# KiCad board A_BUS_Ctrl.kicad_pcb (continued)
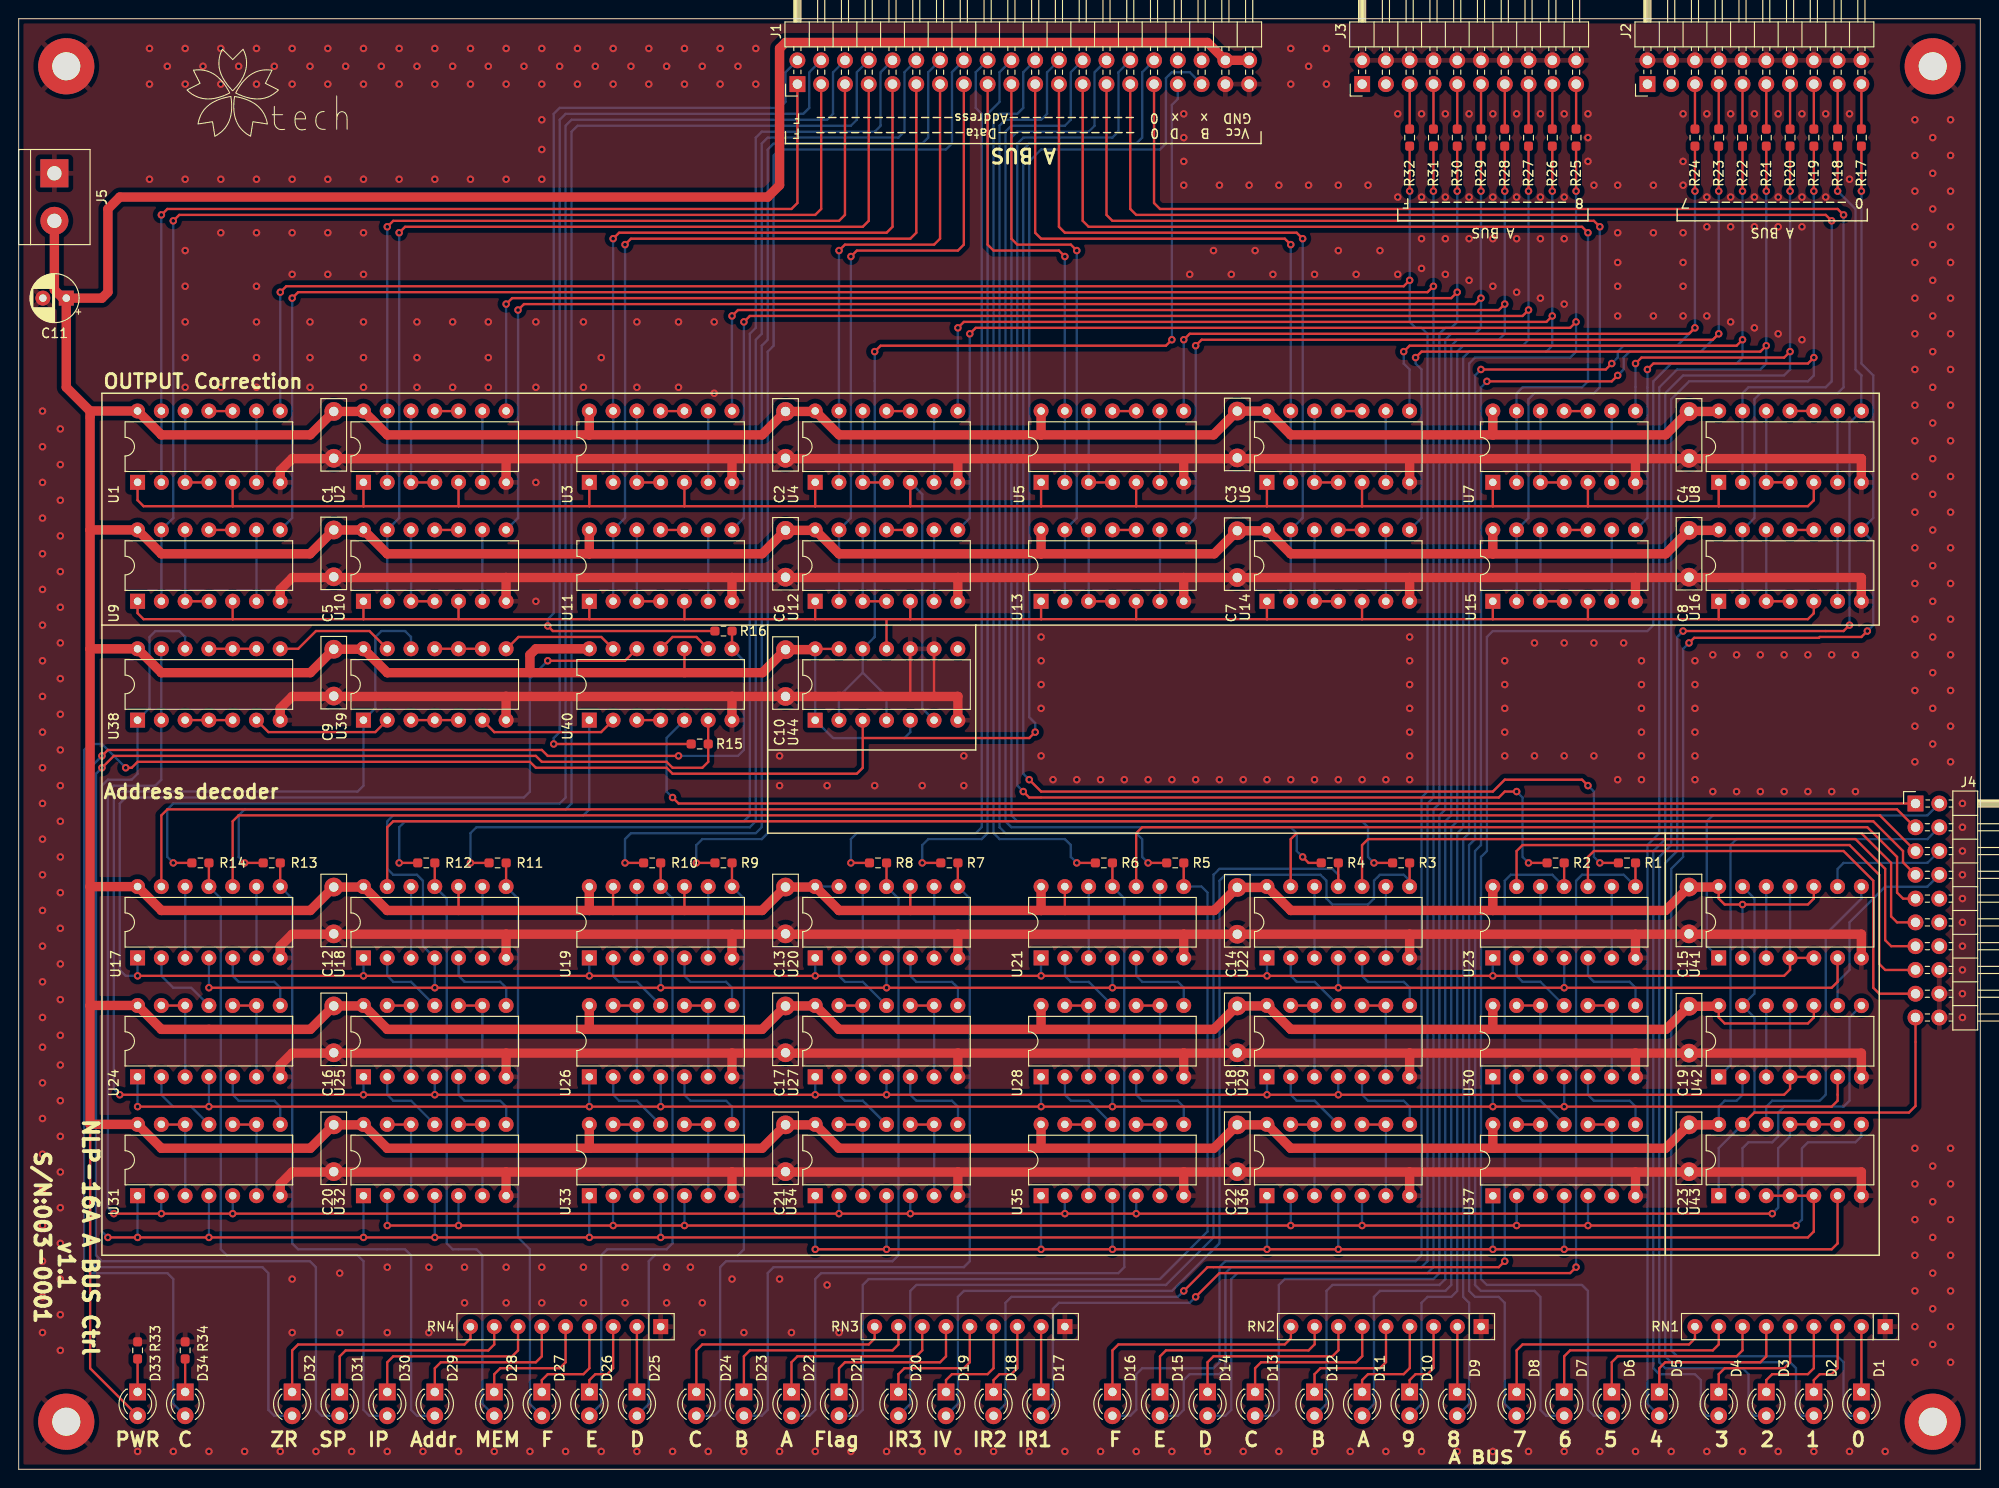
[diagram p0: board, top side]
## Routing (per net, layer and track width the routed paths; a pad name or vN(x,y) marks a point on that pad's centre or on a via; arc(x,y) is an arc through that point) (continued)
Decoded_Reg_Addr3: length 105
  Top w0.25: R4.1 140.96,64.77 U22.11
  Bottom w0.25: U22.11 140.96,63.5 140.97,63.5 140.33,64.13 128.27,64.13 127.64,63.5 127.64,24.76 122.55,19.69 95.89,19.69 95.25,19.05 95.25,6.98 95.24,6.98 D20.2
Decoded_Reg_Addr4: length 96.9
  Top w0.25: U21.8 124.45,64.77 R5.1
  Bottom w0.25: U21.8 126.36,62.24 127,61.59 127,25.4 121.92,20.32 90.8,20.32 90.17,19.69 90.17,6.35 89.54,5.72 D21.2
Decoded_Reg_Addr5: length 94
  Top w0.25: R6.1 116.83,64.77 U21.11
  Bottom w0.25: D22.2 84.45,5.72 85.09,6.35 85.09,20.32 85.72,20.95 117.48,20.95 118.11,21.59 118.11,60.97 U21.11
Decoded_Reg_Addr6: length 82.6
  Top w0.25: U20.8 100.33,64.77 R7.1
  Bottom w0.25: D23.2 79.38,5.72 80.01,6.35 80.01,20.95 80.64,21.59 100.96,21.59 101.6,22.22 101.6,60.97 U20.8
Decoded_Reg_Addr7: length 80.1
  Top w0.25: U20.11 92.7,64.77 R8.1
  Bottom w0.25: U20.11 93.98,60.97 93.98,22.86 93.35,22.22 75.56,22.22 74.93,21.59 74.93,6.35 74.3,5.72 D24.2
Decoded_Reg_Addr8: length 69.5
  Top w0.25: U19.8 76.2,64.77 76.2,64.77
  Bottom w0.25: D25.2 67.31,6.98 ; 67.31,6.98 67.31,6.98 67.31,22.22 67.95,22.85 76.83,22.85 77.47,23.5 77.47,60.97 U19.8 ; 67.31,6.98 67.31,6.98
Decoded_Reg_Addr9: length 67
  Top w0.25: U19.11 68.58,64.77 R10.1
  Bottom w0.25: D26.2 62.23,6.98 62.23,22.86 62.86,23.5 69.22,23.5 69.85,24.13 69.85,60.97 U19.11
Decoded_Reg_Addr10: length 60.6
  Top w0.25: R11.1 52.06,64.77 U18.8
  Bottom w0.25: D27.2 54.61,6.98 54.61,6.98 54.61,23.5 53.34,24.76 53.34,60.97 U18.8
Decoded_Reg_Addr11: length 63.2
  Top w0.25: R12.1 44.45,64.77 U18.11
  Bottom w0.25: D28.2 49.53,6.98 49.53,6.98 49.53,22.86 48.89,23.5 46.36,23.5 45.72,24.13 45.72,60.97 U18.11
Decoded_Reg_Addr12: length 73.7
  Top w0.25: R13.1 27.94,64.77 U17.8
  Bottom w0.25: U17.8 29.21,60.97 29.21,24.13 29.84,23.5 41.28,23.5 41.91,22.86 41.91,6.34 42.54,5.72 D29.2
Decoded_Reg_Addr13: length 76.2
  Top w0.25: U17.11 20.31,64.77 R14.1
  Bottom w0.25: D30.2 37.46,5.72 36.83,6.34 36.83,22.22 36.19,22.86 22.23,22.86 21.59,23.5 21.59,60.97 U17.11
Decoded_Reg_Addr14: length 164.9
  Top w0.25: U40.6 73.66,77.47 R15.1 73.66,75.56 73.03,74.93 69.85,74.93 69.22,75.56 55.88,75.56 55.25,76.2 10.16,76.2 v1(8.89,74.93)
  Bottom w0.25: v1(8.89,74.93) 8.26,74.3 8.26,22.86 8.89,22.22 31.11,22.22 31.75,21.59 31.75,6.34 32.38,5.72 D31.2
Decoded_Reg_Addr15: length 174.1
  Top w0.25: 76.2,89.53 76.2,87.64 U40.8 ; v1(8.89,76.2) 9.52,76.83 55.88,76.83 56.52,76.2 v1(70.48,76.2)
  Bottom w0.25: v1(8.89,76.2) 7.62,74.93 7.62,22.22 8.26,21.59 26.03,21.59 26.67,20.95 26.67,6.34 27.3,5.72 D32.2 ; v1(70.48,76.2) 76.83,76.2 77.47,76.83 77.47,86.36 U40.8
RAW_DATA0: length 137.5
  Top w0.25: J1.31 121.29,135.25 121.92,134.62 194.31,134.62 v1(194.94,133.99)
  Bottom w0.25: v1(194.94,133.99) 194.94,115.57 194.31,114.94 186.06,114.94 185.42,114.3 185.42,101.6 185.4,101.6 U16.13 ; 184.15,92.71 184.15,100.33
RAW_DATA1: length 125.5
  Top w0.25: v1(193.68,133.35) 193.04,133.99 119.38,133.99 118.74,134.62 J1.29
  Bottom w0.25: U8.2 U8.13 184.14,114.93 184.79,115.57 193.04,115.57 193.68,116.2 v1(193.68,133.35)
RAW_DATA2: length 114.6
  Top w0.25: v1(168.91,132.72) 168.27,133.35 116.84,133.35 116.2,133.99 J1.27
  Bottom w0.25: v1(168.91,132.72) 168.91,115.57 168.27,114.94 161.93,114.94 161.27,114.28 161.27,101.6 U15.13 ; 160.02,92.71 160.02,100.33
RAW_DATA3: length 102.6
  Top w0.25: J1.25 113.67,133.35 114.3,132.72 167,132.72 v1(167.64,132.08)
  Bottom w0.25: 160.02,105.41 160.02,113.03 ; U7.13 160.01,114.93 160.65,115.57 167,115.57 167.64,116.2 v1(167.64,132.08)
RAW_DATA4: length 81.1
  Top w0.25: v1(137.16,131.44) 136.52,132.08 111.76,132.08 111.13,132.72 J1.23
  Bottom w0.25: v1(137.16,131.44) 137.16,101.6 137.14,101.6 U14.13 ; 135.89,92.71 135.89,100.33
RAW_DATA5: length 69.1
  Top w0.25: J1.21 108.58,132.08 109.22,131.44 135.25,131.44 v1(135.89,130.81)
  Bottom w0.25: v1(135.89,130.81) 135.88,130.81 U6.13 ; 135.89,105.41 135.89,113.03
RAW_DATA6: length 62
  Top w0.25: J1.19 106.05,131.44 106.68,130.81 112.39,130.81 v1(113.03,130.18)
  Bottom w0.25: U13.13 113.02,101.6 113.03,101.6 v1(113.03,130.18) ; 111.76,92.71 111.76,100.33
RAW_DATA7: length 50
  Top w0.25: v1(111.76,129.54) 111.13,130.18 104.14,130.18 103.51,130.81 J1.17
  Bottom w0.25: v1(111.76,129.54) 111.76,129.53 U5.13 ; 111.76,105.41 111.76,113.03
RAW_DATA8: length 67.1
  Top w0.25: v1(88.9,129.54) 89.54,130.18 100.33,130.18 100.96,130.81 J1.15
  Bottom w0.25: U12.13 88.89,101.6 88.9,101.6 v1(88.9,129.54) ; 87.63,92.71 87.63,100.33
RAW_DATA9: length 52.6
  Top w0.25: v1(87.63,130.18) 88.27,130.81 97.79,130.81 98.42,131.44 J1.13
  Bottom w0.25: 87.63,105.41 87.63,113.03 ; U4.13 87.62,130.17 v1(87.63,130.18)
RAW_DATA10: length 86.1
  Top w0.25: v1(64.77,130.81) 65.41,131.44 95.25,131.44 95.89,132.08 J1.11
  Bottom w0.25: 63.5,92.71 63.5,100.33 ; v1(64.77,130.81) 64.77,101.61 U11.13
RAW_DATA11: length 71.6
  Top w0.25: J1.9 93.35,132.72 92.71,132.08 64.14,132.08 v1(63.5,131.44)
  Bottom w0.25: v1(63.5,131.44) 63.5,131.44 U3.13 ; 63.5,105.41 63.5,113.03
RAW_DATA12: length 105.2
  Top w0.25: J1.7 90.8,133.35 90.17,132.72 41.28,132.72 v1(40.64,132.08)
  Bottom w0.25: v1(40.64,132.08) 40.64,101.6 40.62,101.6 U10.13 ; 39.37,92.71 39.37,100.33
RAW_DATA13: length 90.7
  Top w0.25: J1.5 88.27,133.99 87.63,133.35 40,133.35 v1(39.37,132.72)
  Bottom w0.25: 39.37,105.41 39.37,113.03 ; U2.13 39.36,132.71 v1(39.37,132.72)
RAW_DATA14: length 124.2
  Top w0.25: v1(16.51,133.35) 17.15,133.99 85.09,133.99 85.72,134.62 J1.3
  Bottom w0.25: v1(16.51,133.35) 16.51,101.6 16.49,101.6 U9.13 ; 15.24,92.71 15.24,100.33
RAW_DATA15: length 109.7
  Top w0.25: J1.1 83.19,135.25 82.55,134.62 15.88,134.62 v1(15.24,133.99)
  Bottom w0.25: 15.24,105.41 15.24,113.03 ; v1(15.24,133.99) 15.23,133.98 U1.13
Reg_Addr0: length 40.8
  Bottom w0.25: U41.1 181.62,54.62 180.34,55.9 180.34,69.22 180.98,69.85 203.9,69.85 J4.2
Reg_Addr1: length 48.4
  Bottom w0.25: U42.1 182.88,43.18 182.88,66.67 183.51,67.31 203.9,67.31 J4.4
Reg_Addr2: length 13.5
  Bottom w0.25: J4.6 203.9,64.77 194.94,64.77 194.31,64.13 U41.9
Reg_Addr3: length 21.1
  Bottom w0.25: J4.8 203.9,62.23 199.39,62.23 195.58,58.42 195.58,53.34 194.31,52.07 U42.9
~Address: length 188.6
  Top w0.25: J4.5 198.81,69.85 23.49,69.85 22.86,69.21 U17.10
~Flag: length 94.6
  Top w0.25: U21.10 119.38,67.94 120.02,68.58 197.49,68.58 200.66,65.41 200.66,61.59 201.3,60.95 J4.9
~INTERNAL: length 64.9
  Top w0.25: J4.19 202.63,38.8 201.93,38.1 185.4,38.1 U43.13
  Bottom w0.25: U43.1 181.61,34.3 U43.13 185.42,38.12 185.42,48.26 U42.13 185.42,50.8 185.42,60.97 U41.13
~IP: length 196.1
  Top w0.25: J4.3 202.57,68.58 200.66,70.48 15.88,70.48 15.23,69.84 U17.13
~IR1: length 51.4
  Top w0.25: J4.17 198.76,50.79 198.12,51.44 198.12,62.86 194.94,66.04 168.27,66.04 167.63,65.4 U23.10
~IR2: length 57.8
  Top w0.25: U23.13 160.01,66.03 160.65,66.67 195.58,66.67 198.75,63.5 198.75,53.97 199.39,53.34 J4.15
~IR3: length 79.4
  Top w0.25: U22.13 135.88,67.3 136.52,67.94 196.85,67.94 200.02,64.77 200.02,59.05 200.67,58.41 J4.11
~IV: length 73
  Top w0.25: U22.10 143.5,66.67 144.14,67.31 196.21,67.31 199.39,64.13 199.39,56.51 200.03,55.88 J4.13
~MEM: length 172.9
  Top w0.25: U18.13 39.36,68.58 40,69.22 198.12,69.22 201.3,66.04 201.3,64.83 J4.7
~SP: length 142.4
  Top w0.25: v1(69.85,71.75) 70.49,71.11 J4.1
  Bottom w0.25: v1(69.85,71.75) 69.22,72.39 69.22,78.12 U40.5
Net-(D1-Pad1): length 7
  Top w0.25: RN1.2 D1.1
Net-(D2-Pad1): length 8.8
  Top w0.25: D2.1 191.77,9.53 192.4,10.16 193.68,10.16 194.31,10.79 RN1.3
Net-(D3-Pad1): length 11.3
  Top w0.25: D3.1 186.69,9.53 187.32,10.16 191.13,10.16 191.77,10.79 RN1.4
Net-(D4-Pad1): length 13.9
  Top w0.25: RN1.5 189.23,11.43 188.6,10.79 182.25,10.79 181.61,10.16 D4.1
Net-(D5-Pad1): length 17.7
  Top w0.25: D5.1 175.26,10.79 175.89,11.43 186.06,11.43 186.69,12.06 RN1.6
Net-(D6-Pad1): length 20.2
  Top w0.25: D6.1 170.18,11.43 170.81,12.06 183.51,12.06 184.15,12.7 RN1.7
Net-(D7-Pad1): length 22.7
  Top w0.25: RN1.8 181.61,13.34 180.98,12.7 165.74,12.7 165.1,12.06 D7.1
Net-(D8-Pad1): length 25.3
  Top w0.25: D8.1 160.02,12.7 160.65,13.34 178.44,13.34 179.07,13.97 RN1.9
Net-(D9-Pad1): length 7
  Top w0.25: D9.1 153.69,8.28 RN2.2
Net-(D10-Pad1): length 8.8
  Top w0.25: D10.1 148.59,9.53 149.23,10.16 150.5,10.16 151.14,10.81 RN2.3
Net-(D11-Pad1): length 11.3
  Top w0.25: RN2.4 148.61,10.81 147.95,10.16 144.14,10.16 143.51,9.53 D11.1
Net-(D12-Pad1): length 13.9
  Top w0.25: RN2.5 146.06,11.44 145.42,10.79 139.06,10.79 138.43,10.16 D12.1
Net-(D13-Pad1): length 17.7
  Top w0.25: D13.1 132.08,10.79 132.71,11.43 142.88,11.43 143.52,12.08 RN2.6
Net-(D14-Pad1): length 20.2
  Top w0.25: D14.1 127,11.43 127.64,12.06 140.33,12.06 140.99,12.72 RN2.7
Net-(D15-Pad1): length 22.8
  Top w0.25: RN2.8 138.44,13.35 137.8,12.7 122.55,12.7 121.92,12.06 D15.1
Net-(D16-Pad1): length 25.3
  Top w0.25: RN2.9 135.9,13.98 135.25,13.34 117.48,13.34 116.84,12.7 D16.1
Net-(D17-Pad1): length 7
  Top w0.25: RN3.2 D17.1
Net-(D18-Pad1): length 8.8
  Top w0.25: RN3.3 106.68,10.79 106.05,10.16 104.77,10.16 104.14,9.53 D18.1
Net-(D19-Pad1): length 11.3
  Top w0.25: RN3.4 104.14,10.79 103.51,10.16 99.7,10.16 99.06,9.53 D19.1
Net-(D20-Pad1): length 13.9
  Top w0.25: RN3.5 101.6,11.43 100.96,10.79 94.61,10.79 93.98,10.16 D20.1
Net-(D21-Pad1): length 17.7
  Top w0.25: D21.1 87.63,10.79 88.27,11.43 98.42,11.43 99.06,12.06 RN3.6
Net-(D22-Pad1): length 20.2
  Top w0.25: RN3.7 96.52,12.7 95.89,12.06 83.19,12.06 82.55,11.43 D22.1
Net-(D23-Pad1): length 22.7
  Top w0.25: D23.1 77.47,12.06 78.11,12.7 93.35,12.7 93.98,13.34 RN3.8
Net-(D24-Pad1): length 25.3
  Top w0.25: RN3.9 91.44,13.97 90.8,13.34 73.03,13.34 72.39,12.7 D24.1
Net-(D25-Pad1): length 7
  Top w0.25: 66.04,15.23 D25.1
Net-(D26-Pad1): length 8.8
  Top w0.25: D26.1 60.96,9.52 61.59,10.16 62.86,10.16 63.5,10.79 RN4.3
Net-(D27-Pad1): length 11.3
  Top w0.25: RN4.4 60.96,10.79 60.33,10.16 56.52,10.16 55.88,9.52 D27.1
Net-(D28-Pad1): length 13.9
  Top w0.25: RN4.5 58.42,11.43 57.78,10.79 51.44,10.79 50.8,10.16 D28.1
Net-(D29-Pad1): length 17.7
  Top w0.25: RN4.6 55.88,12.06 55.25,11.43 45.08,11.43 44.45,10.79 D29.1
Net-(D30-Pad1): length 20.2
  Top w0.25: RN4.7 53.34,12.69 52.7,12.06 40,12.06 39.37,11.43 D30.1
Net-(D31-Pad1): length 22.7
  Top w0.25: D31.1 34.29,12.06 34.92,12.69 50.17,12.69 50.8,13.33 RN4.8
Net-(D32-Pad1): length 25.3
  Top w0.25: D32.1 29.21,12.69 29.84,13.33 47.62,13.33 48.26,13.97 RN4.9
Net-(D33-Pad1): length 3.5
  Top w0.25: R33.1 D33.1
Net-(D34-Pad1): length 3.5
  Top w0.25: R34.1 D34.1
Net-(J1-Pad2): length 103.3
  Top w0.25: R16.2 57.06,89.53 v1(56.52,90.08)
  Bottom w0.25: v1(56.52,90.08) 56.52,90.8 57.15,91.44 57.15,144.78 57.78,145.41 81.28,145.41 81.92,146.05 81.92,149.22 J1.2
Net-(J1-Pad4): length 114.4
  Top w0.25: v1(57.15,77.47) R15.2
  Bottom w0.25: v1(57.15,77.47) 57.15,78.11 57.78,78.74 57.78,144.14 58.42,144.78 83.82,144.78 84.45,145.41 84.45,149.22 J1.4
Net-(J1-Pad6): length 158.1
  Top w0.25: v1(16.51,64.77) R14.2
  Bottom w0.25: J1.6 87,149.22 87,144.78 86.36,144.14 59.06,144.14 58.42,143.51 58.42,71.75 57.78,71.12 16.51,71.12 15.88,70.48 15.88,65.41 v1(16.51,64.77)
Net-(J1-Pad8): length 153.1
  Top w0.25: v1(24.13,64.77) R13.2
  Bottom w0.25: J1.8 89.54,149.22 89.54,144.14 88.9,143.51 59.69,143.51 59.06,142.88 59.06,71.12 58.42,70.48 24.13,70.48 23.49,69.85 23.49,65.41 v1(24.13,64.77)
Net-(J1-Pad10): length 137.8
  Top w0.25: v1(40.64,64.77) R12.2
  Bottom w0.25: v1(40.64,64.77) 40.64,68.58 41.28,69.22 77.47,69.22 78.11,69.85 78.11,121.28 78.74,121.92 78.74,142.24 79.38,142.88 91.44,142.88 92.08,143.51 92.08,149.22 J1.10
Net-(J1-Pad12): length 132.7
  Top w0.25: v1(48.26,64.77) R11.2
  Bottom w0.25: v1(48.26,64.77) 48.26,67.94 48.89,68.58 78.11,68.58 78.74,69.22 78.74,120.65 79.38,121.28 79.38,141.6 80.01,142.24 93.98,142.24 94.61,142.88 94.61,149.22 J1.12
Net-(J1-Pad14): length 118.8
  Top w0.25: v1(64.77,64.77) R10.2
  Bottom w0.25: J1.14 97.15,149.22 97.15,142.24 96.52,141.6 80.64,141.6 80.01,140.97 80.01,120.65 79.38,120.02 79.38,68.58 78.74,67.94 65.41,67.94 64.77,67.31 v1(64.77,64.77)
Net-(J1-Pad16): length 113.7
  Top w0.25: v1(72.39,64.77) R9.2
  Bottom w0.25: J1.16 99.7,149.22 99.7,141.6 99.06,140.97 81.28,140.97 80.64,140.34 80.64,120.02 80.01,119.38 80.01,67.94 79.38,67.31 73.03,67.31 72.39,66.67 v1(72.39,64.77)
Net-(J1-Pad18): length 101.7
  Top w0.25: v1(88.9,64.77) R8.2
  Bottom w0.25: v1(88.9,64.77) 88.9,67.31 89.54,67.94 102.23,67.94 102.87,68.58 102.87,144.78 102.23,145.41 102.23,149.22 J1.18
Net-(J1-Pad20): length 95
  Top w0.25: v1(96.52,64.77) R7.2
  Bottom w0.25: v1(96.52,64.77) 96.52,66.67 97.15,67.31 102.87,67.31 103.51,67.94 103.51,144.78 104.77,146.05 104.77,149.22 J1.20
Net-(J1-Pad22): length 98.4
  Top w0.25: v1(113.03,64.77) R6.2
  Bottom w0.25: J1.22 107.32,149.22 107.32,145.41 106.68,144.78 104.77,144.78 104.14,144.14 104.14,67.94 104.77,67.31 111.76,67.31 112.39,66.67 112.39,65.41 v1(113.03,64.77)
Net-(J1-Pad24): length 107.3
  Top w0.25: v1(120.65,64.77) R5.2
  Bottom w0.25: J1.24 109.86,149.22 109.86,144.78 109.22,144.14 105.41,144.14 104.77,143.51 104.77,68.58 105.41,67.94 119.38,67.94 120.02,67.31 120.02,65.41 v1(120.65,64.77)
Net-(J1-Pad26): length 124.7
  Top w0.25: v1(137.16,65.41) 137.8,64.77 R4.2
  Bottom w0.25: J1.26 112.39,149.22 112.39,144.14 111.76,143.51 106.05,143.51 105.41,142.88 105.41,69.22 106.05,68.58 135.89,68.58 136.52,67.94 136.52,66.04 v1(137.16,65.41)
Net-(J1-Pad28): length 134
  Top w0.25: v1(144.78,64.77) R3.2
  Bottom w0.25: v1(144.78,64.77) 144.14,65.41 144.14,68.58 143.51,69.22 106.68,69.22 106.05,69.85 106.05,142.24 106.68,142.88 114.3,142.88 114.93,143.51 114.93,149.22 J1.28
Net-(J1-Pad30): length 152.3
  Top w0.25: v1(107.32,72.39) 107.95,71.75 158.12,71.75 158.75,72.39 v1(160.02,72.39) ; v1(161.29,64.77) R2.2
  Bottom w0.25: v1(160.02,72.39) 160.65,71.75 160.65,65.41 v1(161.29,64.77) ; J1.30 117.48,149.22 117.48,142.88 116.84,142.24 107.32,142.24 106.68,141.6 106.68,73.02 v1(107.32,72.39)
Net-(J1-Pad32): length 161.4
  Top w0.25: v1(107.95,73.66) 109.22,72.39 157.48,72.39 158.75,73.66 167,73.66 v1(167.64,73.02) ; v1(168.91,64.77) R1.2
  Bottom w0.25: J1.32 120.02,149.22 120.02,142.24 119.38,141.6 107.95,141.6 107.32,140.97 107.32,74.3 v1(107.95,73.66) ; v1(168.91,64.77) 168.27,65.41 168.27,72.39 v1(167.64,73.02)
Net-(J2-Pad5): length 4.8
  Top w0.25: R24.1 J2.5
Net-(J2-Pad7): length 4.8
  Top w0.25: R23.1 J2.7
Net-(J2-Pad9): length 4.8
  Top w0.25: R22.1 J2.9
Net-(J2-Pad11): length 4.8
  Top w0.25: R21.1 J2.11
Net-(J2-Pad13): length 4.8
  Top w0.25: R20.1 J2.13
Net-(J2-Pad15): length 4.8
  Top w0.25: R19.1 J2.15
Net-(J2-Pad17): length 4.8
  Top w0.25: R18.1 J2.17
Net-(J2-Pad19): length 4.8
  Top w0.25: R17.1 J2.19
Net-(J3-Pad5): length 4.8
  Top w0.25: J3.5 148.6,143.16 R32.1
Net-(J3-Pad7): length 4.8
  Top w0.25: J3.7 151.13,143.16 R31.1
Net-(J3-Pad9): length 4.8
  Top w0.25: R30.1 153.68,143.16 J3.9
Net-(J3-Pad11): length 4.8
  Top w0.25: J3.11 156.21,143.16 R29.1
Net-(J3-Pad13): length 4.8
  Top w0.25: R28.1 158.75,143.16 J3.13
Net-(J3-Pad15): length 4.8
  Top w0.25: R27.1 161.3,143.16 J3.15
Net-(J3-Pad17): length 4.8
  Top w0.25: R26.1 163.83,143.16 J3.17
Net-(J3-Pad19): length 4.8
  Top w0.25: R25.1 166.38,143.16 J3.19
Net-(U1-Pad6): length 7.6
  Bottom w0.25: 25.4,113.03 25.4,105.41
Net-(U1-Pad10): length 2.5
  Top w0.25: 20.32,113.03 22.86,113.03
Net-(U1-Pad12): length 10.2
  Top w0.25: 17.78,105.41 20.32,105.41
  Bottom w0.25: 17.78,105.41 17.78,113.03
Net-(U2-Pad6): length 7.6
  Bottom w0.25: 49.53,113.03 49.53,105.41
Net-(U2-Pad10): length 2.5
  Top w0.25: 44.45,113.03 46.99,113.03
Net-(U2-Pad12): length 10.2
  Top w0.25: 41.91,105.41 44.45,105.41
  Bottom w0.25: 41.91,105.41 41.91,113.03
Net-(U3-Pad6): length 7.6
  Bottom w0.25: 73.66,113.03 73.66,105.41
Net-(U3-Pad10): length 2.5
  Top w0.25: 68.58,113.03 71.12,113.03
Net-(U3-Pad12): length 10.2
  Top w0.25: 66.04,105.41 68.58,105.41
  Bottom w0.25: 66.04,105.41 66.04,113.03
Net-(U4-Pad6): length 7.6
  Bottom w0.25: 97.79,113.03 97.79,105.41
Net-(U4-Pad10): length 2.5
  Top w0.25: 92.71,113.03 95.25,113.03
Net-(U4-Pad12): length 10.2
  Top w0.25: 90.17,105.41 92.71,105.41
  Bottom w0.25: 90.17,105.41 90.17,113.03
Net-(U5-Pad6): length 7.6
  Bottom w0.25: 121.92,113.03 121.92,105.41
Net-(U5-Pad10): length 2.5
  Top w0.25: 116.84,113.03 119.38,113.03
Net-(U5-Pad12): length 10.2
  Top w0.25: 114.3,105.41 116.84,105.41
  Bottom w0.25: 114.3,105.41 114.3,113.03
Net-(U6-Pad6): length 7.6
  Bottom w0.25: 146.05,113.03 146.05,105.41
Net-(U6-Pad10): length 2.5
  Top w0.25: 140.97,113.03 143.51,113.03
Net-(U6-Pad12): length 10.2
  Top w0.25: 138.43,105.41 140.97,105.41
  Bottom w0.25: 138.43,105.41 138.43,113.03
Net-(U7-Pad6): length 7.6
  Bottom w0.25: 170.18,113.03 170.18,105.41
Net-(U7-Pad10): length 2.5
  Top w0.25: 165.1,113.03 167.64,113.03
Net-(U7-Pad12): length 10.2
  Top w0.25: 162.56,105.41 165.1,105.41
  Bottom w0.25: 162.56,105.41 162.56,113.03
Net-(U8-Pad6): length 7.6
  Bottom w0.25: U8.9 U8.6
Net-(U8-Pad10): length 2.5
  Top w0.25: U8.11 U8.10
Net-(U8-Pad12): length 10.2
  Top w0.25: U8.3 U8.4
  Bottom w0.25: U8.3 U8.12
Net-(U9-Pad6): length 7.6
  Bottom w0.25: 25.4,100.33 25.4,92.71
Net-(U9-Pad10): length 2.5
  Top w0.25: 20.32,100.33 22.86,100.33
Net-(U9-Pad12): length 10.2
  Top w0.25: 17.78,92.71 20.32,92.71
  Bottom w0.25: 17.78,92.71 17.78,100.33
Net-(U10-Pad6): length 7.6
  Bottom w0.25: 49.53,100.33 49.53,92.71
Net-(U10-Pad10): length 2.5
  Top w0.25: 44.45,100.33 46.99,100.33
Net-(U10-Pad12): length 10.2
  Top w0.25: 41.91,92.71 44.45,92.71
  Bottom w0.25: 41.91,92.71 41.91,100.33
Net-(U11-Pad6): length 7.6
  Bottom w0.25: 73.66,100.33 73.66,92.71
Net-(U11-Pad10): length 2.5
  Top w0.25: 68.58,100.33 71.12,100.33
Net-(U11-Pad12): length 10.2
  Top w0.25: 66.04,92.71 68.58,92.71
  Bottom w0.25: 66.04,92.71 66.04,100.33
Net-(U12-Pad6): length 7.6
  Bottom w0.25: 97.79,100.33 97.79,92.71
Net-(U12-Pad10): length 2.5
  Top w0.25: 92.71,100.33 95.25,100.33
Net-(U12-Pad12): length 10.2
  Top w0.25: 90.17,92.71 92.71,92.71
  Bottom w0.25: 90.17,92.71 90.17,100.33
Net-(U13-Pad6): length 7.6
  Bottom w0.25: 121.92,100.33 121.92,92.71
Net-(U13-Pad10): length 2.5
  Top w0.25: 116.84,100.33 119.38,100.33
Net-(U13-Pad12): length 10.2
  Top w0.25: 114.3,92.71 116.84,92.71
  Bottom w0.25: 114.3,92.71 114.3,100.33
Net-(U14-Pad6): length 7.6
  Bottom w0.25: 146.05,100.33 146.05,92.71
Net-(U14-Pad10): length 2.5
  Top w0.25: 140.97,100.33 143.51,100.33
Net-(U14-Pad12): length 10.2
  Top w0.25: 138.43,92.71 140.97,92.71
  Bottom w0.25: 138.43,92.71 138.43,100.33
Net-(U15-Pad6): length 7.6
  Bottom w0.25: 170.18,100.33 170.18,92.71
Net-(U15-Pad10): length 2.5
  Top w0.25: 165.1,100.33 167.64,100.33
Net-(U15-Pad12): length 10.2
  Top w0.25: 162.56,92.71 165.1,92.71
  Bottom w0.25: 162.56,92.71 162.56,100.33
Net-(U16-Pad6): length 7.6
  Bottom w0.25: 194.31,100.33 194.31,92.71
Net-(U16-Pad10): length 2.5
  Top w0.25: 189.23,100.33 191.77,100.33
Net-(U16-Pad12): length 10.2
  Top w0.25: 186.69,92.71 189.23,92.71
  Bottom w0.25: 186.69,92.71 186.69,100.33
Net-(U17-Pad2): length 8.3
  Bottom w0.25: 20.32,49.53 18.42,51.44 16.51,51.44 15.24,52.69 15.24,54.6
Net-(U17-Pad5): length 9.4
  Bottom w0.25: 27.94,49.53 27.94,51.42 27.95,51.43 27.31,52.06 23.5,52.06 22.87,52.69 22.87,54.6
Net-(U17-Pad6): length 7.6
  Bottom w0.25: 25.41,54.6 25.41,62.22
Net-(U17-Pad12): length 7.6
  Bottom w0.25: 17.79,54.6 17.79,62.22
Net-(U18-Pad2): length 8.3
  Bottom w0.25: 44.45,49.53 41.92,52.06 40.01,52.06 39.38,52.69 39.38,54.6
Net-(U18-Pad5): length 9.4
  Bottom w0.25: 52.07,49.53 52.07,51.42 52.08,51.43 51.44,52.06 47.63,52.06 47,52.69 47,54.6
Net-(U18-Pad6): length 7.6
  Bottom w0.25: 49.53,54.6 49.53,62.22
Net-(U18-Pad12): length 7.6
  Bottom w0.25: 41.92,54.6 41.92,62.22
Net-(U19-Pad2): length 8.3
  Bottom w0.25: 68.58,49.53 66.06,52.06 64.14,52.06 63.5,52.69 63.5,54.6
Net-(U19-Pad5): length 9.4
  Bottom w0.25: 71.12,54.6 71.12,52.69 71.76,52.06 75.57,52.06 76.2,51.43 76.2,51.42 76.2,49.53
Net-(U19-Pad6): length 7.6
  Bottom w0.25: 73.67,54.6 73.67,62.22
Net-(U19-Pad12): length 7.6
  Bottom w0.25: U19.12 U19.3
Net-(U20-Pad2): length 8.3
  Bottom w0.25: 92.71,49.53 90.18,52.06 88.27,52.06 87.64,52.69 87.64,54.6
Net-(U20-Pad5): length 9.4
  Bottom w0.25: 95.26,54.6 95.26,52.69 95.89,52.06 99.7,52.06 100.33,51.43 100.33,51.42 100.33,49.53
Net-(U20-Pad6): length 7.6
  Bottom w0.25: 97.8,54.6 97.8,62.22
Net-(U20-Pad12): length 7.6
  Bottom w0.25: 90.17,54.6 90.17,62.22
Net-(U21-Pad2): length 8.3
  Bottom w0.25: 111.77,54.6 111.77,52.69 112.4,52.06 114.32,52.06 116.84,49.53
Net-(U21-Pad5): length 9.4
  Bottom w0.25: 119.39,54.6 119.39,52.69 120.02,52.06 123.83,52.06 124.46,51.43 124.46,51.42 124.46,49.53
Net-(U21-Pad6): length 7.6
  Bottom w0.25: 121.92,54.6 121.92,62.22
Net-(U21-Pad12): length 7.6
  Bottom w0.25: 114.3,54.6 114.3,62.22
Net-(U22-Pad2): length 8.3
  Bottom w0.25: 140.97,49.53 138.44,52.06 136.53,52.06 135.89,52.69 135.89,54.6
Net-(U22-Pad5): length 9.4
  Bottom w0.25: 148.59,49.53 148.59,51.42 148.6,51.43 147.96,52.06 144.15,52.06 143.51,52.69 143.51,54.6
Net-(U22-Pad6): length 7.6
  Bottom w0.25: 146.06,54.6 146.06,62.22
Net-(U22-Pad12): length 7.6
  Bottom w0.25: 138.44,54.6 138.44,62.22
Net-(U23-Pad2): length 8.3
  Bottom w0.25: U30.11 165.09,49.54 162.56,52.07 160.65,52.07 160.02,52.7 160.02,54.61
Net-(U23-Pad5): length 9.4
  Bottom w0.25: 167.64,54.61 167.64,52.7 168.27,52.07 172.08,52.07 172.72,51.44 172.71,51.43 U30.8
Net-(U23-Pad6): length 7.6
  Bottom w0.25: 170.18,54.61 170.18,62.23
Net-(U23-Pad12): length 7.6
  Bottom w0.25: 162.56,54.61 162.56,62.23
Net-(U24-Pad2): length 8.3
  Bottom w0.25: 15.24,41.91 15.24,40 16.51,38.73 18.41,38.73 20.33,36.82
Net-(U24-Pad5): length 9.4
  Bottom w0.25: 27.95,36.82 27.95,38.72 27.31,39.36 23.5,39.36 22.86,40 22.86,41.91
Net-(U24-Pad10): length 10.2
  Top w0.25: 22.86,49.53 25.4,49.53
  Bottom w0.25: 25.4,41.91 25.4,49.53
Net-(U24-Pad12): length 10.2
  Top w0.25: 15.24,49.53 17.78,49.53
  Bottom w0.25: 17.78,41.91 17.78,49.53
Net-(U25-Pad2): length 8.3
  Bottom w0.25: 44.45,36.82 41.92,39.36 40.01,39.36 39.37,40 39.37,41.91
Net-(U25-Pad5): length 9.4
  Bottom w0.25: 52.08,36.82 52.08,38.72 51.44,39.36 47.63,39.36 46.99,40 46.99,41.91
Net-(U25-Pad10): length 10.2
  Top w0.25: 46.99,49.53 49.53,49.53
  Bottom w0.25: 49.53,41.91 49.53,49.53
Net-(U25-Pad12): length 10.2
  Top w0.25: 39.37,49.53 41.91,49.53
  Bottom w0.25: 41.91,41.91 41.91,49.53
Net-(U26-Pad2): length 8.3
  Bottom w0.25: 63.5,41.91 63.5,40 64.14,39.36 66.05,39.36 68.58,36.82
Net-(U26-Pad5): length 9.4
  Bottom w0.25: 71.12,41.91 71.12,40 71.76,39.36 75.57,39.36 76.2,38.72 76.2,36.82
Net-(U26-Pad10): length 10.2
  Top w0.25: 71.12,49.53 73.66,49.53
  Bottom w0.25: 73.66,41.91 73.66,49.53
Net-(U26-Pad12): length 10.2
  Top w0.25: 63.5,49.53 66.04,49.53
  Bottom w0.25: 66.04,41.91 66.04,49.53
Net-(U27-Pad2): length 8.3
  Bottom w0.25: 87.63,41.91 87.63,40 88.27,39.36 90.18,39.36 92.71,36.82
Net-(U27-Pad5): length 9.4
  Bottom w0.25: 100.33,36.82 100.33,38.72 99.7,39.36 95.89,39.36 95.25,40 95.25,41.91
Net-(U27-Pad10): length 10.2
  Top w0.25: 95.25,49.53 97.79,49.53
  Bottom w0.25: 97.79,41.91 97.79,49.53
Net-(U27-Pad12): length 10.2
  Top w0.25: 87.63,49.53 90.17,49.53
  Bottom w0.25: 90.17,41.91 90.17,49.53
Net-(U28-Pad2): length 8.3
  Bottom w0.25: 111.76,41.91 111.76,40 112.4,39.36 114.31,39.36 116.85,36.82
Net-(U28-Pad5): length 9.4
  Bottom w0.25: 124.46,36.82 124.46,38.72 123.83,39.36 120.02,39.36 119.38,40 119.38,41.91
Net-(U28-Pad10): length 10.2
  Top w0.25: 119.38,49.53 121.92,49.53
  Bottom w0.25: 121.92,41.91 121.92,49.53
Net-(U28-Pad12): length 10.2
  Top w0.25: 111.76,49.53 114.3,49.53
  Bottom w0.25: 114.3,41.91 114.3,49.53
Net-(U29-Pad2): length 8.3
  Bottom w0.25: 140.98,36.82 138.44,39.36 136.53,39.36 135.89,40 135.89,41.91
Net-(U29-Pad5): length 9.4
  Bottom w0.25: 143.51,41.91 143.51,40 144.15,39.36 147.96,39.36 148.6,38.72 148.6,36.82
Net-(U29-Pad10): length 10.2
  Top w0.25: 143.51,49.53 146.05,49.53
  Bottom w0.25: 146.05,41.91 146.05,49.53
Net-(U29-Pad12): length 10.2
  Top w0.25: 135.89,49.53 138.43,49.53
  Bottom w0.25: 138.43,41.91 138.43,49.53
Net-(U30-Pad2): length 8.3
  Bottom w0.25: U30.2 160.01,40.01 160.65,39.37 162.56,39.37 U37.11
Net-(U30-Pad5): length 9.4
  Bottom w0.25: U30.5 167.63,40.01 168.27,39.37 172.08,39.37 172.72,38.73 U37.8
Net-(U30-Pad10): length 10.2
  Top w0.25: U30.10 U30.9
  Bottom w0.25: U30.9 U30.6
Net-(U30-Pad12): length 10.2
  Top w0.25: U30.13 U30.12
  Bottom w0.25: U30.3 U30.12
Net-(U31-Pad10): length 10.2
  Top w0.25: 22.87,36.82 25.41,36.82
  Bottom w0.25: 25.41,29.2 25.41,36.82
Net-(U31-Pad12): length 10.2
  Top w0.25: 15.24,36.82 17.79,36.82
  Bottom w0.25: 17.79,29.2 17.79,36.82
Net-(U32-Pad10): length 10.2
  Top w0.25: 47,36.82 49.53,36.82
  Bottom w0.25: 49.53,29.2 49.53,36.82
Net-(U32-Pad12): length 10.2
  Top w0.25: 39.38,36.82 41.92,36.82
  Bottom w0.25: 41.92,29.2 41.92,36.82
Net-(U33-Pad10): length 10.2
  Top w0.25: 71.12,36.82 73.67,36.82
  Bottom w0.25: 73.67,29.2 73.67,36.82
Net-(U33-Pad12): length 10.2
  Top w0.25: 63.5,36.82 66.05,36.82
  Bottom w0.25: 66.05,29.2 66.05,36.82
Net-(U34-Pad10): length 10.2
  Top w0.25: 95.26,36.82 97.8,36.82
  Bottom w0.25: 97.8,29.2 97.8,36.82
Net-(U34-Pad12): length 10.2
  Top w0.25: 87.64,36.82 90.17,36.82
  Bottom w0.25: 90.17,29.2 90.17,36.82
Net-(U35-Pad10): length 10.2
  Top w0.25: 119.39,36.82 121.92,36.82
  Bottom w0.25: 121.92,29.2 121.92,36.82
Net-(U35-Pad12): length 10.2
  Top w0.25: 111.77,36.82 114.3,36.82
  Bottom w0.25: 114.3,29.2 114.3,36.82
Net-(U36-Pad10): length 10.2
  Top w0.25: 143.51,36.82 146.06,36.82
  Bottom w0.25: 146.06,29.2 146.06,36.82
Net-(U36-Pad12): length 10.2
  Top w0.25: 135.89,36.82 138.44,36.82
  Bottom w0.25: 138.44,29.2 138.44,36.82
Net-(U37-Pad10): length 10.2
  Top w0.25: U37.10 U37.9
  Bottom w0.25: U37.6 U37.9
Net-(U37-Pad12): length 10.2
  Top w0.25: U37.13 U37.12
  Bottom w0.25: U37.3 U37.12
Net-(U38-Pad3): length 5.1
  Top w0.25: U38.3 U38.5
Net-(U38-Pad6): length 15
  Top w0.25: U38.6 26.67,78.74 38.08,78.74 U39.2
Net-(U38-Pad8): length 13
  Top w0.25: U38.8 29.86,87.64 31.75,89.53 37.47,89.53 U39.13
Net-(U38-Pad10): length 5.1
  Top w0.25: U38.11 U38.9
Net-(U39-Pad3): length 5.1
  Top w0.25: U39.3 U39.5
Net-(U39-Pad6): length 15
  Top w0.25: U39.6 50.8,78.75 50.8,78.74 62.22,78.74 U40.2
Net-(U39-Pad8): length 12.5
  Top w0.25: U40.13 62.23,88.9 53.39,88.9 52.12,87.64 U39.8
Net-(U39-Pad10): length 5.1
  Top w0.25: U39.11 U39.9
Net-(U40-Pad3): length 2.5
  Top w0.25: U40.3 U40.4
Net-(U40-Pad11): length 6.1
  Top w0.25: U40.9 72.39,88.9 69.85,88.9 69.22,88.27 69.2,88.27 U40.11
Net-(U41-Pad8): length 32.6
  Bottom w0.25: U43.12 186.69,38.73 187.32,39.37 192.4,39.37 193.04,40 193.04,57.15 196.85,60.95 U41.8
Net-(U41-Pad12): length 7.6
  Bottom w0.25: U41.3 U41.12
Net-(U42-Pad8): length 30.8
  Bottom w0.25: U43.2 184.14,34.28 184.79,34.93 187.32,34.93 187.96,35.56 187.96,38.1 188.6,38.73 194.94,38.73 195.58,39.37 195.58,48.26 U42.8
Net-(U42-Pad12): length 7.6
  Bottom w0.25: U42.3 U42.12

## Copper pours and planes (outline as drawn; the poured copper is in the pictures)
GND on Top, Bottom: 209.55,0 0,0 0,154.94 209.55,154.94

## Text on the board
F.Fab: MountingHole_Pad | Screw_Terminal_01x02
F.Silkscreen: 0  ------------Data-------------  F / 0  -----------Address------------  F | B   D / x   x | Vcc / GND | 8 ------------- F | A BUS | 0 ------------- 7 | PWR | C | Address decoder | OUTPUT Correction | ZR  SP  IP  Addr | MEM  F   E   D | C   B   A  Flag | IR3 IV  IR2 IR1 | F   E   D   C | B   A   9   8 | 7   6   5   4 | 3   2   1   0 | NLP-16A A BUS Ctrl / v1.1 / S/N:003-0001
